# Altium PCB main.PcbDoc (part 1 of 3) (continued)
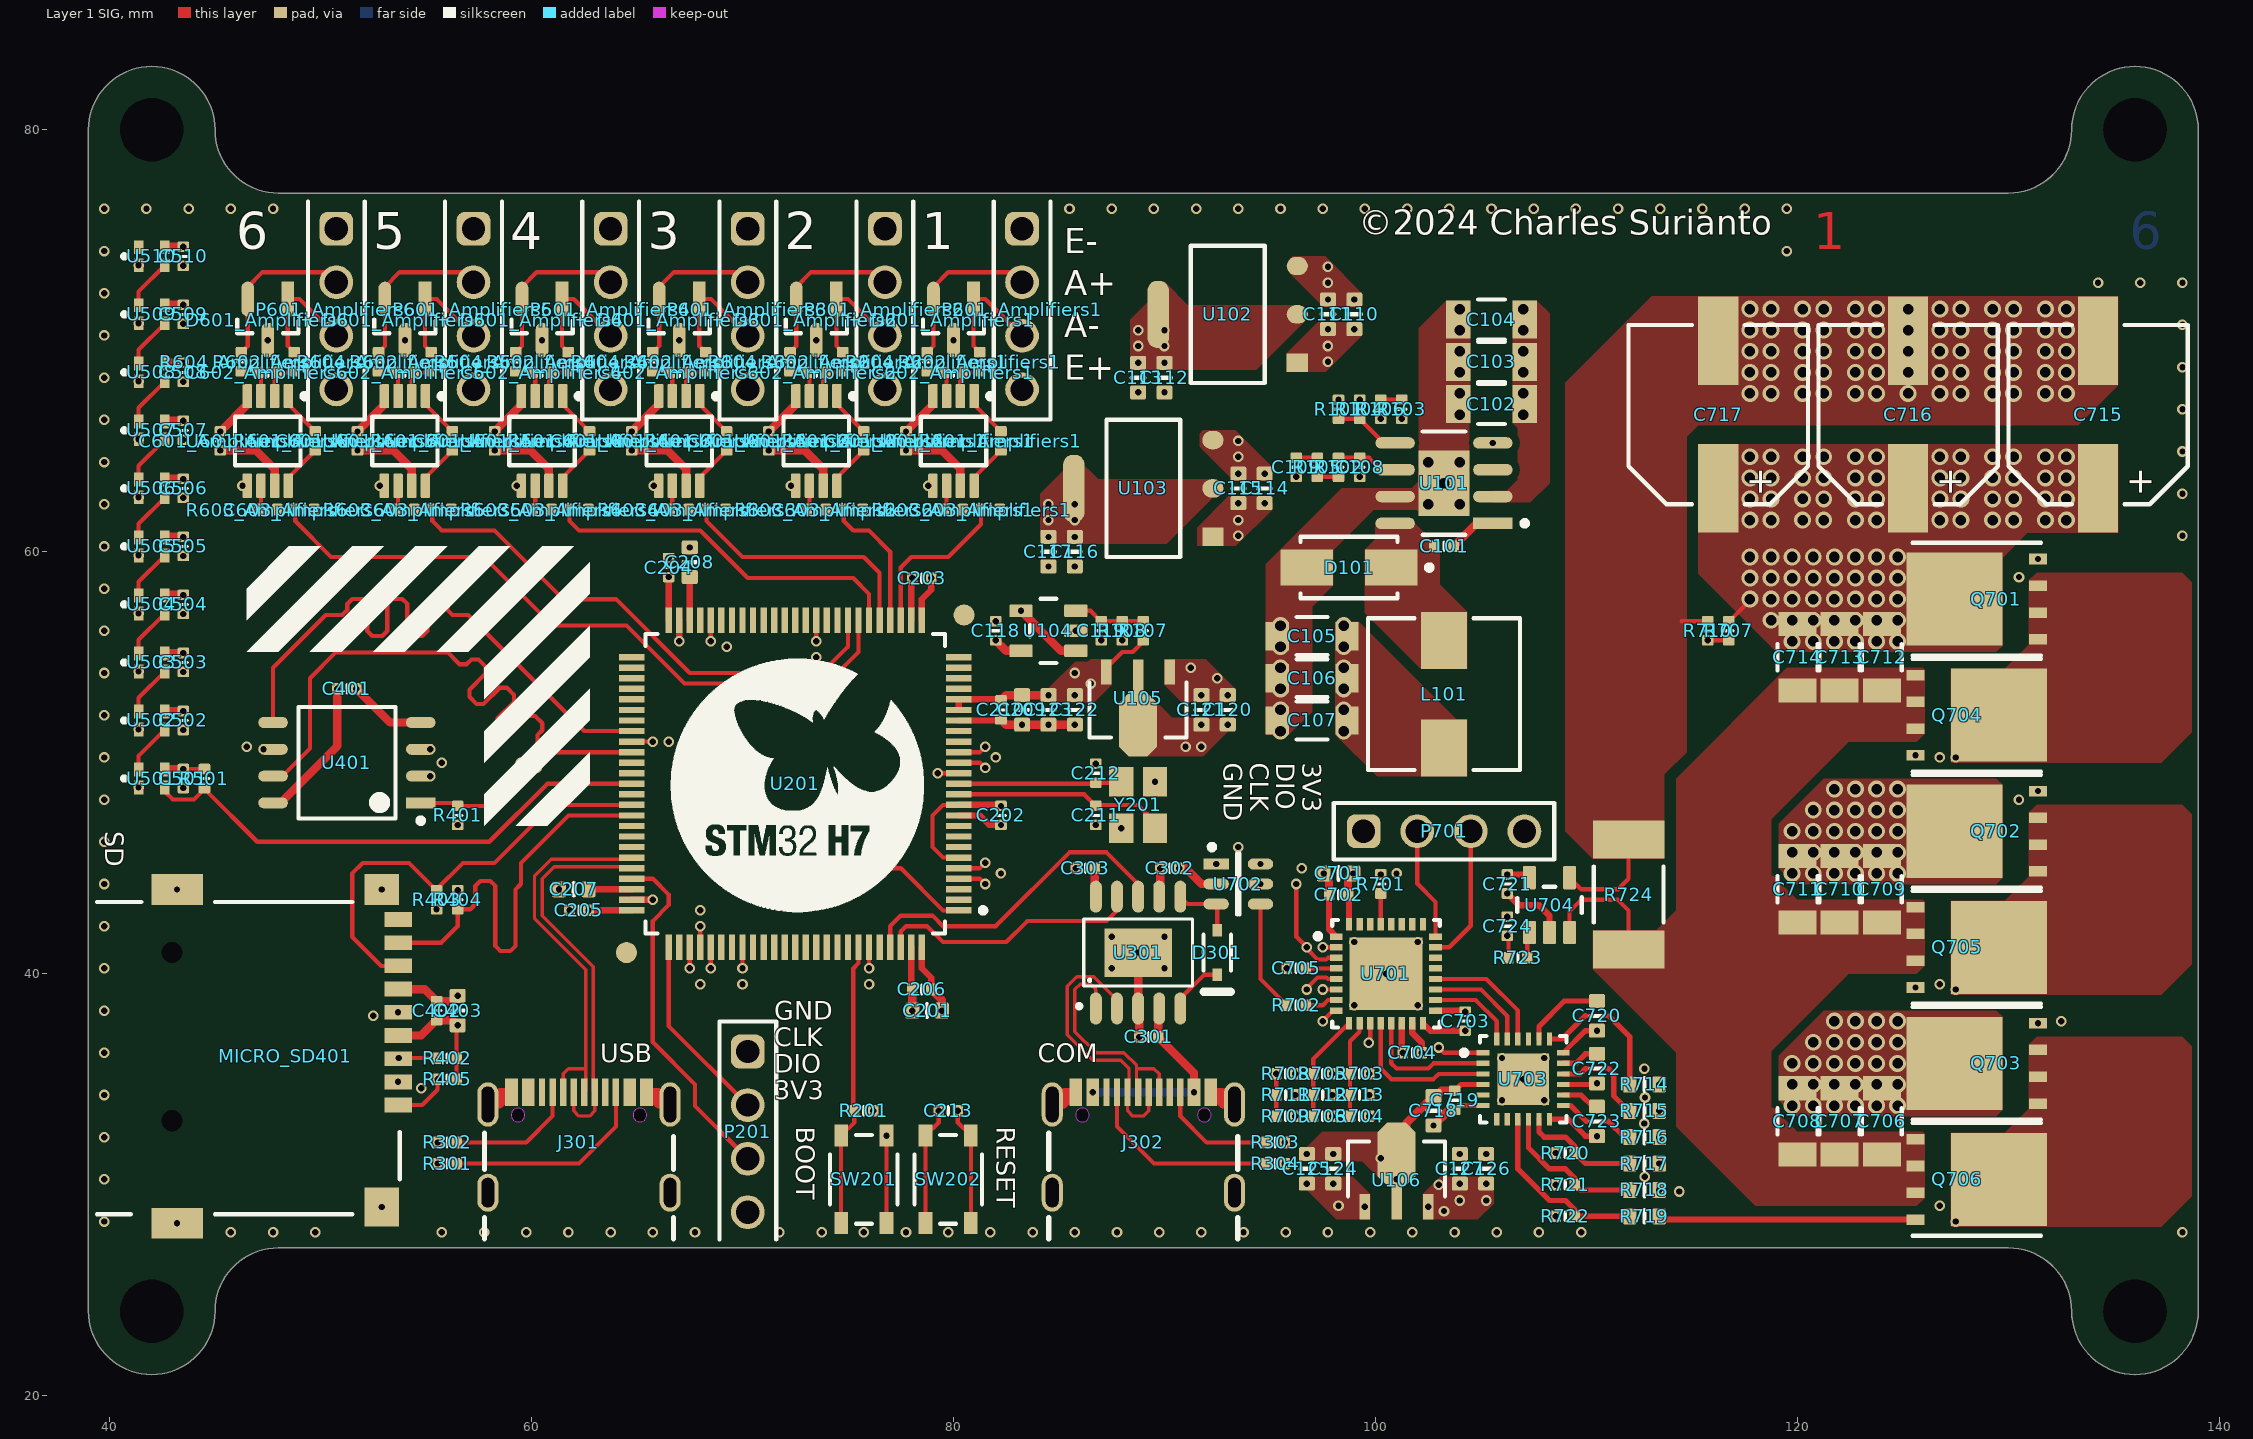
[diagram p0: Layer 1 SIG view]
## Components (designator, comment, footprint, x,y, rotation, side; value= is the part's Value field where it differs from the comment)
C101 "Capacitor 100nF +/-20% 25V 0402" CAPC0402(1005)60_L 103.25,60.25 r0 top value=100nF
C102 "GRM31CZ72A475KE11L" FP-GRM31C-0_3-e0_3_0_9-MFG 105.5,67 r0 top
C103 "GRM31CZ72A475KE11L" FP-GRM31C-0_3-e0_3_0_9-MFG 105.5,69 r0 top
C104 "GRM31CZ72A475KE11L" FP-GRM31C-0_3-e0_3_0_9-MFG 105.5,71 r0 top
C105 "C3216X5R1C476M160AB" FP-C3216-160-0_2-MFG 97,56 r180 top
C106 "C3216X5R1C476M160AB" FP-C3216-160-0_2-MFG 97,54 r180 top
C107 "C3216X5R1C476M160AB" FP-C3216-160-0_2-MFG 97,52 r180 top
C108 "Capacitor 15pF +/-20% 50V 0402" CAPC0402(1005)60_L 99.25,64 r270 top value=15pF
C109 "Capacitor 10nF +/-20% 50V 0402" CAPC0402(1005)60_L 96.25,64 r270 top value=10nF
C110 "Capacitor 10µF +/-20% 10V 0603" CAPC0603(1608)100_L 99,71.25 r270 top value=10µF
C111 "Capacitor 10µF +/-20% 10V 0603" CAPC0603(1608)100_L 97.75,71.25 r270 top value=10µF
C112 "Capacitor 10µF +/-20% 10V 0603" CAPC0603(1608)100_L 90,68.25 r270 top value=10µF
C113 "Capacitor 10µF +/-20% 10V 0603" CAPC0603(1608)100_L 88.75,68.25 r270 top value=10µF
C114 "Capacitor 10µF +/-20% 10V 0603" CAPC0603(1608)100_L 94.75,63 r270 top value=10µF
C115 "Capacitor 10µF +/-20% 10V 0603" CAPC0603(1608)100_L 93.5,63 r270 top value=10µF
C116 "Capacitor 10µF +/-20% 10V 0603" CAPC0603(1608)100_L 85.75,60 r270 top value=10µF
C117 "Capacitor 10µF +/-20% 10V 0603" CAPC0603(1608)100_L 84.5,60 r270 top value=10µF
C118 "Capacitor 100nF +/-20% 25V 0402" CAPC0402(1005)60_L 82,56.25 r90 top value=100nF
C119 "Capacitor 100nF +/-20% 25V 0402" CAPC0402(1005)60_L 87,56.25 r270 top value=100nF
C120 "Capacitor 10µF +/-20% 10V 0603" CAPC0603(1608)100_L 93,52.5 r90 top value=10µF
C121 "Capacitor 10µF +/-20% 10V 0603" CAPC0603(1608)100_L 91.75,52.5 r90 top value=10µF
C122 "Capacitor 10µF +/-20% 10V 0603" CAPC0603(1608)100_L 85.75,52.5 r270 top value=10µF
C123 "Capacitor 10µF +/-20% 10V 0603" CAPC0603(1608)100_L 84.5,52.5 r270 top value=10µF
C124 "Capacitor 10µF +/-20% 10V 0603" CAPC0603(1608)100_L 98,30.75 r270 top value=10µF
C125 "Capacitor 10µF +/-20% 10V 0603" CAPC0603(1608)100_L 96.75,30.75 r270 top value=10µF
C126 "Capacitor 10µF +/-20% 10V 0603" CAPC0603(1608)100_L 105.25,30.75 r90 top value=10µF
C127 "Capacitor 10µF +/-20% 10V 0603" CAPC0603(1608)100_L 104,30.75 r90 top value=10µF
C201 "Capacitor 10µF +/-20% 10V 0603" CAPC0603(1608)100_L 78.75,38.25 r180 top value=10µF
C202 "Capacitor 100nF +/-20% 25V 0402" CAPC0402(1005)60_L 82.25,47.5 r270 top value=100nF
C203 "Capacitor 100nF +/-20% 25V 0402" CAPC0402(1005)60_L 78.5,58.75 r0 top value=100nF
C204 "Capacitor 100nF +/-20% 25V 0402" CAPC0402(1005)60_L 66.5,59.25 r90 top value=100nF
C205 "Capacitor 100nF +/-20% 25V 0402" CAPC0402(1005)60_L 62.25,43 r180 top value=100nF
C206 "Capacitor 100nF +/-20% 25V 0402" CAPC0402(1005)60_L 78.5,39.25 r180 top value=100nF
C207 "Capacitor 10µF +/-20% 10V 0603" CAPC0603(1608)100_L 62,44 r180 top value=10µF
C208 "Capacitor 10µF +/-20% 10V 0603" CAPC0603(1608)100_L 67.5,59.5 r90 top value=10µF
C209 "Capacitor 10µF +/-20% 10V 0603" CAPC0603(1608)100_L 83.25,52.5 r270 top value=10µF
C210 "Capacitor 100nF +/-20% 25V 0402" CAPC0402(1005)60_L 82.25,52.5 r270 top value=100nF
C211 "Capacitor 15pF +/-20% 50V 0402" CAPC0402(1005)60_L 86.75,47.5 r270 top value=15pF
C212 "Capacitor 15pF +/-20% 50V 0402" CAPC0402(1005)60_L 86.75,49.5 r90 top value=15pF
C213 "Capacitor 100nF +/-20% 25V 0402" CAPC0402(1005)60_L 79.75,33.5 r180 top value=100nF
C301 "Capacitor 100nF +/-20% 25V 0402" CAPC0402(1005)60_L 89.25,37 r180 top value=100nF
C302 "Capacitor 100nF +/-20% 25V 0402" CAPC0402(1005)60_L 90.25,45 r0 top value=100nF
C303 "Capacitor 100nF +/-20% 25V 0402" CAPC0402(1005)60_L 86.25,45 r180 top value=100nF
C401 "Capacitor 100nF +/-20% 25V 0402" CAPC0402(1005)60_L 51.25,53.5 r0 top value=100nF
C402 "Capacitor 100nF +/-20% 25V 0402" CAPC0402(1005)60_L 55.5,38.25 r90 top value=100nF
C403 "Capacitor 10µF +/-20% 10V 0603" CAPC0603(1608)100_L 56.5,38.25 r90 top value=10µF
C501 "Capacitor 100nF +/-20% 25V 0402" CAPC0402(1005)60_L 43.5,49.25 r270 top value=100nF
C502 "Capacitor 100nF +/-20% 25V 0402" CAPC0402(1005)60_L 43.5,52 r270 top value=100nF
C503 "Capacitor 100nF +/-20% 25V 0402" CAPC0402(1005)60_L 43.5,54.75 r270 top value=100nF
C504 "Capacitor 100nF +/-20% 25V 0402" CAPC0402(1005)60_L 43.5,57.5 r270 top value=100nF
C505 "Capacitor 100nF +/-20% 25V 0402" CAPC0402(1005)60_L 43.5,60.25 r270 top value=100nF
C506 "Capacitor 100nF +/-20% 25V 0402" CAPC0402(1005)60_L 43.5,63 r270 top value=100nF
C507 "Capacitor 100nF +/-20% 25V 0402" CAPC0402(1005)60_L 43.5,65.75 r270 top value=100nF
C508 "Capacitor 100nF +/-20% 25V 0402" CAPC0402(1005)60_L 43.5,68.5 r270 top value=100nF
C509 "Capacitor 100nF +/-20% 25V 0402" CAPC0402(1005)60_L 43.5,71.25 r270 top value=100nF
C510 "Capacitor 100nF +/-20% 25V 0402" CAPC0402(1005)60_L 43.5,74 r270 top value=100nF
C601_Amplifiers1 "Capacitor 100nF +/-20% 25V 0402" CAPC0402(1005)60_L 77.75,65.25 r90 top value=100nF (schematic designator C601)
C601_Amplifiers2 "Capacitor 100nF +/-20% 25V 0402" CAPC0402(1005)60_L 71.25,65.25 r90 top value=100nF (schematic designator C601)
C601_Amplifiers3 "Capacitor 100nF +/-20% 25V 0402" CAPC0402(1005)60_L 64.75,65.25 r90 top value=100nF (schematic designator C601)
C601_Amplifiers4 "Capacitor 100nF +/-20% 25V 0402" CAPC0402(1005)60_L 58.25,65.25 r90 top value=100nF (schematic designator C601)
C601_Amplifiers5 "Capacitor 100nF +/-20% 25V 0402" CAPC0402(1005)60_L 51.75,65.25 r90 top value=100nF (schematic designator C601)
C601_Amplifiers6 "Capacitor 100nF +/-20% 25V 0402" CAPC0402(1005)60_L 45.25,65.25 r90 top value=100nF (schematic designator C601)
C602_Amplifiers1 "Capacitor 100nF +/-20% 25V 0402" CAPC0402(1005)60_L 80,68.5 r180 top value=100nF (schematic designator C602)
C602_Amplifiers2 "Capacitor 100nF +/-20% 25V 0402" CAPC0402(1005)60_L 73.5,68.5 r180 top value=100nF (schematic designator C602)
C602_Amplifiers3 "Capacitor 100nF +/-20% 25V 0402" CAPC0402(1005)60_L 67,68.5 r180 top value=100nF (schematic designator C602)
C602_Amplifiers4 "Capacitor 100nF +/-20% 25V 0402" CAPC0402(1005)60_L 60.5,68.5 r180 top value=100nF (schematic designator C602)
C602_Amplifiers5 "Capacitor 100nF +/-20% 25V 0402" CAPC0402(1005)60_L 54,68.5 r180 top value=100nF (schematic designator C602)
C602_Amplifiers6 "Capacitor 100nF +/-20% 25V 0402" CAPC0402(1005)60_L 47.5,68.5 r180 top value=100nF (schematic designator C602)
C603_Amplifiers1 "Capacitor 100nF +/-20% 25V 0402" CAPC0402(1005)60_L 81.75,62 r0 top value=100nF (schematic designator C603)
C603_Amplifiers2 "Capacitor 100nF +/-20% 25V 0402" CAPC0402(1005)60_L 75.25,62 r0 top value=100nF (schematic designator C603)
C603_Amplifiers3 "Capacitor 100nF +/-20% 25V 0402" CAPC0402(1005)60_L 68.75,62 r0 top value=100nF (schematic designator C603)
C603_Amplifiers4 "Capacitor 100nF +/-20% 25V 0402" CAPC0402(1005)60_L 62.25,62 r0 top value=100nF (schematic designator C603)
C603_Amplifiers5 "Capacitor 100nF +/-20% 25V 0402" CAPC0402(1005)60_L 55.75,62 r0 top value=100nF (schematic designator C603)
C603_Amplifiers6 "Capacitor 100nF +/-20% 25V 0402" CAPC0402(1005)60_L 49.25,62 r0 top value=100nF (schematic designator C603)
C701 "Capacitor 10µF +/-20% 10V 0603" CAPC0603(1608)100_L 98.25,44.75 r0 top value=10µF
C702 "Capacitor 100nF +/-20% 25V 0402" CAPC0402(1005)60_L 98.25,43.75 r0 top value=100nF
C703 "Capacitor 100nF +/-20% 25V 0402" CAPC0402(1005)60_L 104.25,37.75 r270 top value=100nF
C704 "Capacitor 100nF +/-20% 25V 0402" CAPC0402(1005)60_L 101.75,36.25 r180 top value=100nF
C705 "Capacitor 100nF +/-20% 25V 0402" CAPC0402(1005)60_L 96.25,40.25 r180 top value=100nF
C706 "GRM31CZ72A475KE11L" FP-GRM31C-0_3-e0_3_0_9-MFG 124,33 r90 top
C707 "GRM31CZ72A475KE11L" FP-GRM31C-0_3-e0_3_0_9-MFG 122,33 r90 top
C708 "GRM31CZ72A475KE11L" FP-GRM31C-0_3-e0_3_0_9-MFG 120,33 r90 top
C709 "GRM31CZ72A475KE11L" FP-GRM31C-0_3-e0_3_0_9-MFG 124,44 r90 top
C710 "GRM31CZ72A475KE11L" FP-GRM31C-0_3-e0_3_0_9-MFG 122,44 r90 top
C711 "GRM31CZ72A475KE11L" FP-GRM31C-0_3-e0_3_0_9-MFG 120,44 r90 top
C712 "GRM31CZ72A475KE11L" FP-GRM31C-0_3-e0_3_0_9-MFG 124,55 r90 top
C713 "GRM31CZ72A475KE11L" FP-GRM31C-0_3-e0_3_0_9-MFG 122,55 r90 top
C714 "GRM31CZ72A475KE11L" FP-GRM31C-0_3-e0_3_0_9-MFG 120,55 r90 top
C715 "865230453006" WCAP-AS5H_D8H10.5 134.25,66.5 r270 top
C716 "865230453006" WCAP-AS5H_D8H10.5 125.25,66.5 r270 top
C717 "865230453006" WCAP-AS5H_D8H10.5 116.25,66.5 r270 top
C718 "Capacitor 10µF +/-20% 10V 0603" CAPC0603(1608)100_L 102.75,33.5 r270 top value=10µF
C719 "Capacitor 100nF +/-20% 25V 0402" CAPC0402(1005)60_L 103.75,34 r270 top value=100nF
C720 "Capacitor 10µF +/-20% 10V 0603" CAPC0603(1608)100_L 110.5,38 r270 top value=10µF
C721 "Capacitor 100nF +/-20% 25V 0402" CAPC0402(1005)60_L 106.25,44.25 r270 top value=100nF
C722 "Capacitor 10µF +/-20% 10V 0603" CAPC0603(1608)100_L 110.5,35.5 r270 top value=10µF
C723 "Capacitor 10µF +/-20% 10V 0603" CAPC0603(1608)100_L 110.5,33 r270 top value=10µF
C724 "Capacitor 100nF +/-20% 25V 0402" CAPC0402(1005)60_L 106.25,42.25 r90 top value=100nF
D101 "SS34" FP-SMA-MFG 98.75,59.25 r180 top
D301 "1N4148WS-7-F" DIOD-SOD323-2-A_V 92.5,41 r270 top
D601_Amplifiers1 "PESD3V3S2UT,215" FP-SOT23-IPC_A 80,71 r270 top (schematic designator D601)
D601_Amplifiers2 "PESD3V3S2UT,215" FP-SOT23-IPC_A 73.5,71 r270 top (schematic designator D601)
D601_Amplifiers3 "PESD3V3S2UT,215" FP-SOT23-IPC_A 67,71 r270 top (schematic designator D601)
D601_Amplifiers4 "PESD3V3S2UT,215" FP-SOT23-IPC_A 60.5,71 r270 top (schematic designator D601)
D601_Amplifiers5 "PESD3V3S2UT,215" FP-SOT23-IPC_A 54,71 r270 top (schematic designator D601)
D601_Amplifiers6 "PESD3V3S2UT,215" FP-SOT23-IPC_A 47.5,71 r270 top (schematic designator D601)
J301 "USB-TYPE-C-019" USB-TYPE-C-12+4P 62.25,32 r0 top
J302 "USB-TYPE-C-019" USB-TYPE-C-12+4P 89,32 r0 top
L101 "SMRH74-220MT" WE-HCI_7040 103.25,53.25 r0 top
MICRO_SD401 "TF-01A" TF-01A 46.5,36 r270 top
P201 "61300411121" 61300411121 70.25,32.5 r270 top
P601_Amplifiers1 "61300411121" 61300411121 83.25,71.5 r270 top (schematic designator P601)
P601_Amplifiers2 "61300411121" 61300411121 76.75,71.5 r270 top (schematic designator P601)
P601_Amplifiers3 "61300411121" 61300411121 70.25,71.5 r270 top (schematic designator P601)
P601_Amplifiers4 "61300411121" 61300411121 63.75,71.5 r270 top (schematic designator P601)
P601_Amplifiers5 "61300411121" 61300411121 57.25,71.5 r270 top (schematic designator P601)
P601_Amplifiers6 "61300411121" 61300411121 50.75,71.5 r270 top (schematic designator P601)
P701 "61300411121" 61300411121 103.25,46.75 r0 top
Q701 "BSC0702LSATMA1" FP-PG-TDSON-8-MFG 128.5,57.75 r90 top
Q702 "BSC0702LSATMA1" FP-PG-TDSON-8-MFG 128.5,46.75 r90 top
Q703 "BSC0702LSATMA1" FP-PG-TDSON-8-MFG 128.5,35.75 r90 top
Q704 "BSC0702LSATMA1" FP-PG-TDSON-8-MFG 128.5,52.25 r270 top
Q705 "BSC0702LSATMA1" FP-PG-TDSON-8-MFG 128.5,41.25 r270 top
Q706 "BSC0702LSATMA1" FP-PG-TDSON-8-MFG 128.5,30.25 r270 top
R101 "Resistor 100K +/-1 % 0402 63 mW" RESC0402(1005)_L 98.25,66.75 r270 top value=100k
R102 "Resistor 10K  +/-1 % 0402 63 mW" RESC0402(1005)_L 98.25,64 r270 top value=10k
R103 "Resistor 100K +/-1 % 0402 63 mW" RESC0402(1005)_L 101.25,66.75 r270 top value=100k
R104 "Resistor 10K  +/-1 % 0402 63 mW" RESC0402(1005)_L 99.25,66.75 r90 top value=10k
R105 "Resistor 10K  +/-1 % 0402 63 mW" RESC0402(1005)_L 97.25,64 r90 top value=10k
R106 "Resistor 100K +/-1 % 0402 63 mW" RESC0402(1005)_L 100.25,66.75 r90 top value=100k
R107 "Resistor 10K  +/-1 % 0402 63 mW" RESC0402(1005)_L 89,56.25 r90 top value=10k
R108 "Resistor 10K  +/-1 % 0402 63 mW" RESC0402(1005)_L 88,56.25 r270 top value=10k
R201 "Resistor 10K  +/-1 % 0402 63 mW" RESC0402(1005)_L 75.75,33.5 r0 top value=10k
R301 "Resistor 5K1  +/-1 % 0402 63 mW" RESC0402(1005)_L 56,31 r180 top value=5.1k
R302 "Resistor 5K1  +/-1 % 0402 63 mW" RESC0402(1005)_L 56,32 r180 top value=5.1k
R303 "Resistor 5K1  +/-1 % 0402 63 mW" RESC0402(1005)_L 95.25,32 r0 top value=5.1k
R304 "Resistor 5K1  +/-1 % 0402 63 mW" RESC0402(1005)_L 95.25,31 r0 top value=5.1k
R401 "Resistor 10K  +/-1 % 0402 63 mW" RESC0402(1005)_L 56.5,47.5 r90 top value=10k
R402 "Resistor 10K  +/-1 % 0402 63 mW" RESC0402(1005)_L 56,36 r180 top value=10k
R403 "Resistor 10K  +/-1 % 0402 63 mW" RESC0402(1005)_L 55.5,43.5 r90 top value=10k
R404 "Resistor 10K  +/-1 % 0402 63 mW" RESC0402(1005)_L 56.5,43.5 r270 top value=10k
R405 "Resistor 10K  +/-1 % 0402 63 mW" RESC0402(1005)_L 56,35 r180 top value=10k
R501 "Resistor 5K1  +/-1 % 0402 63 mW" RESC0402(1005)_L 44.5,49.25 r270 top value=5.1k
R601_Amplifiers1 "Resistor 1K2 +/-1 % 0402 63 mW" RESC0402(1005)_L 82.25,65.25 r90 top value=1.2k (schematic designator R601)
R601_Amplifiers2 "Resistor 1K2 +/-1 % 0402 63 mW" RESC0402(1005)_L 75.75,65.25 r90 top value=1.2k (schematic designator R601)
R601_Amplifiers3 "Resistor 1K2 +/-1 % 0402 63 mW" RESC0402(1005)_L 69.25,65.25 r90 top value=1.2k (schematic designator R601)
R601_Amplifiers4 "Resistor 1K2 +/-1 % 0402 63 mW" RESC0402(1005)_L 62.75,65.25 r90 top value=1.2k (schematic designator R601)
R601_Amplifiers5 "Resistor 1K2 +/-1 % 0402 63 mW" RESC0402(1005)_L 56.25,65.25 r90 top value=1.2k (schematic designator R601)
R601_Amplifiers6 "Resistor 1K2 +/-1 % 0402 63 mW" RESC0402(1005)_L 49.75,65.25 r90 top value=1.2k (schematic designator R601)
R602_Amplifiers1 "Resistor 10K  +/-1 % 0402 63 mW" RESC0402(1005)_L 81.25,69 r270 top value=10k (schematic designator R602)
R602_Amplifiers2 "Resistor 10K  +/-1 % 0402 63 mW" RESC0402(1005)_L 74.75,69 r270 top value=10k (schematic designator R602)
R602_Amplifiers3 "Resistor 10K  +/-1 % 0402 63 mW" RESC0402(1005)_L 68.25,69 r270 top value=10k (schematic designator R602)
R602_Amplifiers4 "Resistor 10K  +/-1 % 0402 63 mW" RESC0402(1005)_L 61.75,69 r270 top value=10k (schematic designator R602)
R602_Amplifiers5 "Resistor 10K  +/-1 % 0402 63 mW" RESC0402(1005)_L 55.25,69 r270 top value=10k (schematic designator R602)
R602_Amplifiers6 "Resistor 10K  +/-1 % 0402 63 mW" RESC0402(1005)_L 48.75,69 r270 top value=10k (schematic designator R602)
R603_Amplifiers1 "Resistor 10K  +/-1 % 0402 63 mW" RESC0402(1005)_L 80,62 r0 top value=10k (schematic designator R603)
R603_Amplifiers2 "Resistor 10K  +/-1 % 0402 63 mW" RESC0402(1005)_L 73.5,62 r0 top value=10k (schematic designator R603)
R603_Amplifiers3 "Resistor 10K  +/-1 % 0402 63 mW" RESC0402(1005)_L 67,62 r0 top value=10k (schematic designator R603)
R603_Amplifiers4 "Resistor 10K  +/-1 % 0402 63 mW" RESC0402(1005)_L 60.5,62 r0 top value=10k (schematic designator R603)
R603_Amplifiers5 "Resistor 10K  +/-1 % 0402 63 mW" RESC0402(1005)_L 54,62 r0 top value=10k (schematic designator R603)
R603_Amplifiers6 "Resistor 10K  +/-1 % 0402 63 mW" RESC0402(1005)_L 47.5,62 r0 top value=10k (schematic designator R603)
R604_Amplifiers1 "Resistor 10K  +/-1 % 0402 63 mW" RESC0402(1005)_L 78.75,69 r270 top value=10k (schematic designator R604)
R604_Amplifiers2 "Resistor 10K  +/-1 % 0402 63 mW" RESC0402(1005)_L 72.25,69 r270 top value=10k (schematic designator R604)
R604_Amplifiers3 "Resistor 10K  +/-1 % 0402 63 mW" RESC0402(1005)_L 65.75,69 r270 top value=10k (schematic designator R604)
R604_Amplifiers4 "Resistor 10K  +/-1 % 0402 63 mW" RESC0402(1005)_L 59.25,69 r270 top value=10k (schematic designator R604)
R604_Amplifiers5 "Resistor 10K  +/-1 % 0402 63 mW" RESC0402(1005)_L 52.75,69 r270 top value=10k (schematic designator R604)
R604_Amplifiers6 "Resistor 10K  +/-1 % 0402 63 mW" RESC0402(1005)_L 46.25,69 r270 top value=10k (schematic designator R604)
R701 "Resistor 100R +/-1 % 0402 63 mW" RESC0402(1005)_L 100.25,44.25 r90 top value=100
R702 "Resistor 100R +/-1 % 0402 63 mW" RESC0402(1005)_L 96.25,38.5 r0 top value=100
R703 "Resistor 100K +/-1 % 0402 63 mW" RESC0402(1005)_L 99.25,35.25 r180 top value=100k
R704 "Resistor 100K +/-1 % 0402 63 mW" RESC0402(1005)_L 99.25,33.25 r0 top value=100k
R705 "Resistor 100K +/-1 % 0402 63 mW" RESC0402(1005)_L 97.5,35.25 r180 top value=100k
R706 "Resistor 100K +/-1 % 0402 63 mW" RESC0402(1005)_L 97.5,33.25 r0 top value=100k
R707 "Resistor 100K +/-1 % 0402 63 mW" RESC0402(1005)_L 116.75,56.25 r90 top value=100k
R708 "Resistor 100K +/-1 % 0402 63 mW" RESC0402(1005)_L 95.75,35.25 r180 top value=100k
R709 "Resistor 100K +/-1 % 0402 63 mW" RESC0402(1005)_L 95.75,33.25 r0 top value=100k
R710 "Resistor 5K1  +/-1 % 0402 63 mW" RESC0402(1005)_L 115.75,56.25 r90 top value=5.1k
R711 "Resistor 5K1  +/-1 % 0402 63 mW" RESC0402(1005)_L 95.75,34.25 r0 top value=5.1k
R712 "Resistor 5K1  +/-1 % 0402 63 mW" RESC0402(1005)_L 97.5,34.25 r0 top value=5.1k
R713 "Resistor 5K1  +/-1 % 0402 63 mW" RESC0402(1005)_L 99.25,34.25 r0 top value=5.1k
R714 "Resistor 20R +/-5 % 0603 0.1 W" RESC0603(1608)_L 112.75,34.75 r0 top value=20
R715 "Resistor 20R +/-5 % 0603 0.1 W" RESC0603(1608)_L 112.75,33.5 r0 top value=20
R716 "Resistor 20R +/-5 % 0603 0.1 W" RESC0603(1608)_L 112.75,32.25 r0 top value=20
R717 "Resistor 20R +/-5 % 0603 0.1 W" RESC0603(1608)_L 112.75,31 r0 top value=20
R718 "Resistor 20R +/-5 % 0603 0.1 W" RESC0603(1608)_L 112.75,29.75 r0 top value=20
R719 "Resistor 20R +/-5 % 0603 0.1 W" RESC0603(1608)_L 112.75,28.5 r0 top value=20
R720 "Resistor 10K  +/-1 % 0402 63 mW" RESC0402(1005)_L 109,31.5 r180 top value=10k
R721 "Resistor 10K  +/-1 % 0402 63 mW" RESC0402(1005)_L 109,30 r180 top value=10k
R722 "Resistor 10K  +/-1 % 0402 63 mW" RESC0402(1005)_L 109,28.5 r180 top value=10k
R723 "Resistor 5K1  +/-1 % 0402 63 mW" RESC0402(1005)_L 106.75,40.75 r180 top value=5.1k
R724 "PSL2NTEBL500F" FP-PSL2NTEBL500F-MFG 112,43.75 r90 top
SW201 "PTS810SJM250SMTRLFS" FP-PTS810SJM250SMTRLFS-MFG 75.75,30.25 r270 top
SW202 "PTS810SJM250SMTRLFS" FP-PTS810SJM250SMTRLFS-MFG 79.75,30.25 r270 top
U101 "TPS54560DDA" FP-DDA0008E-IPC_C 103.25,63.25 r180 top
U102 "AMS1117-5.0" FP-AMS1117-IPC_C 93,71.25 r180 top
U103 "AMS1117-3.3" FP-AMS1117-IPC_C 89,63 r180 top
U104 "OPA333AIDBVR" FP-DBV0005A-MFG 84.5,56.25 r180 top
U105 "HT7533_1-SOT89" SOT89_L 88.75,52.5 r270 top
U106 "HT7533_1-SOT89" SOT89_L 101,30.75 r90 top
U201 "STM32H750VBT6" FP-LQFP100-1L-MFG 72.5,49 r180 top
U301 "CH342K" SSOP-10_L5.0-W3.9-P1.00-LS6.0-BL-EP 88.75,41 r0 top
U401 "W25Q32JVSSIQ" FP-SS-IPC_C 51.25,50 r180 top
U501 "WS2812B 1615" "WS2812B 1615" 42,49.25 r0 top
U502 "WS2812B 1615" "WS2812B 1615" 42,52 r0 top
U503 "WS2812B 1615" "WS2812B 1615" 42,54.75 r0 top
U504 "WS2812B 1615" "WS2812B 1615" 42,57.5 r0 top
U505 "WS2812B 1615" "WS2812B 1615" 42,60.25 r0 top
U506 "WS2812B 1615" "WS2812B 1615" 42,63 r0 top
U507 "WS2812B 1615" "WS2812B 1615" 42,65.75 r0 top
U508 "WS2812B 1615" "WS2812B 1615" 42,68.5 r0 top
U509 "WS2812B 1615" "WS2812B 1615" 42,71.25 r0 top
U510 "WS2812B 1615" "WS2812B 1615" 42,74 r0 top
U601_Amplifiers1 "INA333AIDGKR" DGK0008A_L 80,65.25 r270 top (schematic designator U601)
U601_Amplifiers2 "INA333AIDGKR" DGK0008A_L 73.5,65.25 r270 top (schematic designator U601)
U601_Amplifiers3 "INA333AIDGKR" DGK0008A_L 67,65.25 r270 top (schematic designator U601)
U601_Amplifiers4 "INA333AIDGKR" DGK0008A_L 60.5,65.25 r270 top (schematic designator U601)
U601_Amplifiers5 "INA333AIDGKR" DGK0008A_L 54,65.25 r270 top (schematic designator U601)
U601_Amplifiers6 "INA333AIDGKR" DGK0008A_L 47.5,65.25 r270 top (schematic designator U601)
U701 "STM32G431KBU3" FP-UFQFPN32-A0B8-MFG 100.5,40 r0 top
U702 "SN74LVC1G3157DBVR" FP-DBV0006A-IPC_C 93.5,44.25 r0 top
U703 "DRV8300DRGER" RGE0024B-MFG 107,35 r0 top
U704 "INA180A2IDBVR" FP-DBV0005A-MFG 108.25,43.25 r90 top
Y201 "TSX-3225 25.0000MF10P-C0" FP-TSX-3225-MFG 88.75,48 r90 top

## Footprints (in the part's own frame and the unit in brackets; to place one, negate y for a bottom-side part, rotate by r counter-clockwise, add the part's x,y. Pads: shape width x height; smd on the part's side, far side on the other; paste and mask are expansions set on the pad)
61300411121 [mm] "Pin Header, pitch 2.54 mm, THT, Vertical, single row, 4p"
  rrect50% 1.6x1.6 hole 1.1: 1(-3.81,0)
  round 1.6 hole 1.1: 2(-1.27,0) 3(1.27,0) 4(3.81,0)
  silkscreen extent -5.23,-1.35 5.1,1.35, body extent -5.08,-1.27 5.08,1.27, height 8.57
CAPC0402(1005)60_L [mm] "Chip Capacitor, Body 1.0x0.5mm, Height 0.6mm, IPC High Density"
  rrect25% 0.5x0.55 smd: 1(-0.45,0) 2(0.45,0)
  silkscreen extent 0,-0.2 0,0.2, body extent -0.5,-0.25 0.5,0.25, height 0.6
CAPC0603(1608)100_L [mm] "Chip Capacitor, Body 1.6x0.8mm, Height 1.0mm, IPC High Density"
  rrect25% 0.66x0.76 smd: 1(-0.7,0) 2(0.7,0)
  silkscreen extent 0,-0.3 0,0.3, body extent -0.8,-0.4 0.8,0.4, height 0.95
DGK0008A_L [mm] "TSOP, 8-Leads, Body 3.1x3.1mm, Pitch 0.65mm, IPC High Density"
  rrect22% 1.15x0.45 smd: 1(-2.125,0.975) 2(-2.125,0.325) 3(-2.125,-0.325) 4(-2.125,-0.975) 5(2.125,-0.975) 6(2.125,-0.325) 7(2.125,0.325) 8(2.125,0.975)
  silkscreen extent -2.25,-1.55 1.15,1.88, body extent -2.45,-1.5 2.45,1.5, height 0.94
DIOD-SOD323-2-A_V [mm] "SOD-323, 2-Leads, Body 1.7x1.3mm"
  rect 0.59x0.45 smd: 1(-1.055,0) 2(1.055,0)
  silkscreen extent -0.85,-0.65 1.85,0.65, body extent -0.85,-0.65 0.85,0.65, height 1.2
FP-AMS1117-IPC_C [mm]
  rect 1.004x0.872 smd paste+0 mask+0: 1(-3.295,2.29)
  rrect100% 1.004x0.872 smd paste+0 mask+0: 2(-3.295,0) 3(-3.295,-2.29)
  rrect87% 1.004x3.182 smd paste+0 mask+0: 4(3.295,0)
  silkscreen extent -1.75,-3.25 1.75,3.25, body extent -3.9,-3.35 3.9,3.35, height 0.25
FP-C3216-160-0_2-MFG [mm]
  rect 1.1x1.35 smd paste+0 mask+0: 1(-1.65,0) 2(1.65,0)
  silkscreen extent -0.72,-0.9 0.72,0.9, body extent -2.3,-1 2.3,1, height 0.25
FP-DBV0005A-MFG [mm]
  rrect17% 1.1x0.6 smd paste+0 mask+0: 1(-1.3,0.95) 2(-1.3,0) 3(-1.3,-0.95) 4(1.3,-0.95) 5(1.3,0.95)
  silkscreen extent -0.38,-1.53 0.87,1.53, body extent -1.95,-1.78 1.95,1.78, height 0.25
FP-DBV0006A-IPC_C [mm]
  rect 1.205x0.53 smd paste+0 mask+0: 1(-1.05,0.95)
  rrect100% 1.205x0.53 smd paste+0 mask+0: 2(-1.05,0) 3(-1.05,-0.95) 4(1.05,-0.95) 5(1.05,0) 6(1.05,0.95)
  silkscreen extent -1.37,-1.45 0.05,1.87, body extent -1.75,-1.55 1.75,1.55, height 0.25
FP-DDA0008E-IPC_C [mm]
  rect 1.874x0.542 smd paste+0 mask+0: 1(-2.316,1.905)
  rrect100% 1.874x0.542 smd paste+0 mask+0: 2(-2.316,0.635) 3(-2.316,-0.635) 4(-2.316,-1.905) 5(2.316,-1.905) 6(2.316,-0.635) 7(2.316,0.635) 8(2.316,1.905)
  rect 2.4x3.1 smd paste-1000 mask+0: 9(0,0)
  silkscreen extent -3.95,-2.45 1,2.45, body extent -3.35,-2.55 3.35,2.55, height 0.25
FP-GRM31C-0_3-e0_3_0_9-MFG [mm]
  rect 1.15x1.8 smd paste+0 mask+0: 1(-1.575,0) 2(1.575,0)
  silkscreen extent -0.63,-0.95 0.63,0.95, body extent -2.25,-1.05 2.25,1.05, height 0.25
FP-LQFP100-1L-MFG [mm]
  rect 1.2x0.3 smd paste+0 mask+0: 1(-7.75,6) 2(-7.75,5.5) 3(-7.75,5) 4(-7.75,4.5) 5(-7.75,4) 6(-7.75,3.5) 7(-7.75,3) 8(-7.75,2.5) 9(-7.75,2) 10(-7.75,1.5) 11(-7.75,1) 12(-7.75,0.5) 13(-7.75,0) 14(-7.75,-0.5) 15(-7.75,-1) 16(-7.75,-1.5) 17(-7.75,-2) 18(-7.75,-2.5) 19(-7.75,-3) 20(-7.75,-3.5) 21(-7.75,-4) 22(-7.75,-4.5) 23(-7.75,-5) 24(-7.75,-5.5) 25(-7.75,-6) 51(7.75,-6) 52(7.75,-5.5) 53(7.75,-5) 54(7.75,-4.5) 55(7.75,-4) 56(7.75,-3.5) 57(7.75,-3) 58(7.75,-2.5) 59(7.75,-2) 60(7.75,-1.5) 61(7.75,-1) 62(7.75,-0.5) 63(7.75,0) 64(7.75,0.5) 65(7.75,1) 66(7.75,1.5) 67(7.75,2) 68(7.75,2.5) 69(7.75,3) 70(7.75,3.5) 71(7.75,4) 72(7.75,4.5) 73(7.75,5) 74(7.75,5.5) 75(7.75,6)
  rect 0.3x1.2 smd paste+0 mask+0: 26(-6,-7.75) 27(-5.5,-7.75) 28(-5,-7.75) 29(-4.5,-7.75) 30(-4,-7.75) 31(-3.5,-7.75) 32(-3,-7.75) 33(-2.5,-7.75) 34(-2,-7.75) 35(-1.5,-7.75) 36(-1,-7.75) 37(-0.5,-7.75) 38(0,-7.75) 39(0.5,-7.75) 40(1,-7.75) 41(1.5,-7.75) 42(2,-7.75) 43(2.5,-7.75) 44(3,-7.75) 45(3.5,-7.75) 46(4,-7.75) 47(4.5,-7.75) 48(5,-7.75) 49(5.5,-7.75) 50(6,-7.75) 76(6,7.75) 77(5.5,7.75) 78(5,7.75) 79(4.5,7.75) 80(4,7.75) 81(3.5,7.75) 82(3,7.75) 83(2.5,7.75) 84(2,7.75) 85(1.5,7.75) 86(1,7.75) 87(0.5,7.75) 88(0,7.75) 89(-0.5,7.75) 90(-1,7.75) 91(-1.5,7.75) 92(-2,7.75) 93(-2.5,7.75) 94(-3,7.75) 95(-3.5,7.75) 96(-4,7.75) 97(-4.5,7.75) 98(-5,7.75) 99(-5.5,7.75) 100(-6,7.75)
  silkscreen extent -9.03,-7.1 7.1,7.1, body extent -8.45,-8.45 8.45,8.45, height 0.25
FP-PG-TDSON-8-MFG [mm]
  rect 0.5x0.85 smd paste-1000 mask+0: 1(-1.905,-2.9) 2(-0.635,-2.9) 3(0.635,-2.9) 4(1.905,-2.9)
  rect 4.41x4.55 smd paste-1000 mask-1000: 5-6-7-8(0,1.05)
  silkscreen extent -2.68,-3.05 2.68,3.05, body extent -3,-3.42 3,3.42, height 0.25
FP-PSL2NTEBL500F-MFG [mm]
  rect 1.8x3.4 smd paste+0 mask+0: 1(-2.6,0) 2(2.6,0)
  silkscreen extent -1.33,-1.65 1.33,1.65, body extent -3.6,-1.8 3.6,1.8, height 0.25
FP-PTS810SJM250SMTRLFS-MFG [mm]
  rect 1.05x0.65 smd paste+0 mask+0: 1(-2.075,1.075) 2(2.075,1.075) 3(-2.075,-1.075) 4(2.075,-1.075)
  silkscreen extent -2.1,-1.6 2.1,1.6, body extent -2.7,-1.7 2.7,1.7, height 0.25
FP-SMA-MFG [mm]
  rect 2.5x1.7 smd paste+0 mask+0: 1(-2,0) 2(2,0)
  silkscreen extent -3.93,-1.46 2.3,1.46, body extent -3.35,-1.56 3.35,1.56, height 0.25
FP-SOT23-IPC_A [mm]
  rect 1.655x0.602 smd paste+0 mask+0: 1(-0.975,0.95)
  rrect100% 1.655x0.602 smd paste+0 mask+0: 2(-0.975,-0.95) 3(0.975,0)
  silkscreen extent 0,-1.45 0.65,1.45, body extent -2.3,-1.95 2.3,1.95, height 0.25
FP-SS-IPC_C [mm]
  rect 1.405x0.518 smd paste+0 mask+0: 1(-3.5,1.905)
  rrect100% 1.405x0.518 smd paste+0 mask+0: 2(-3.5,0.635) 3(-3.5,-0.635) 4(-3.5,-1.905) 5(3.5,-1.905) 6(3.5,-0.635) 7(3.5,0.635) 8(3.5,1.905)
  silkscreen extent -3.62,-2.64 2.3,2.87, body extent -4.3,-2.74 4.3,2.74, height 0.25
FP-TSX-3225-MFG [mm]
  rect 1.4x1.15 smd paste+0 mask+0: 1(-1.1,-0.8) 2(1.1,-0.8) 3(1.1,0.8) 4(-1.1,0.8)
  body extent -1.9,-1.48 1.9,1.48, height 0.25
FP-UFQFPN32-A0B8-MFG [mm]
  rect 0.6x0.3 smd paste+0 mask+0: 1(-2.35,1.75) 2(-2.35,1.25) 3(-2.35,0.75) 4(-2.35,0.25) 5(-2.35,-0.25) 6(-2.35,-0.75) 7(-2.35,-1.25) 8(-2.35,-1.75) 17(2.35,-1.75) 18(2.35,-1.25) 19(2.35,-0.75) 20(2.35,-0.25) 21(2.35,0.25) 22(2.35,0.75) 23(2.35,1.25) 24(2.35,1.75)
  rect 0.3x0.6 smd paste+0 mask+0: 9(-1.75,-2.35) 10(-1.25,-2.35) 11(-0.75,-2.35) 12(-0.25,-2.35) 13(0.25,-2.35) 14(0.75,-2.35) 15(1.25,-2.35) 16(1.75,-2.35) 25(1.75,2.35) 26(1.25,2.35) 27(0.75,2.35) 28(0.25,2.35) 29(-0.25,2.35) 30(-0.75,2.35) 31(-1.25,2.35) 32(-1.75,2.35)
  rect 3.45x3.45 smd paste+0 mask+0: 33(0,0)
  silkscreen extent -3.35,-2.55 2.55,2.55, body extent -2.75,-2.75 2.75,2.75, height 0.25
RESC0402(1005)_L [mm] "Chip Resistor, Body 1.0x0.5mm, IPC High Density"
  rrect25% 0.5x0.55 smd: 1(-0.45,0) 2(0.45,0)
  silkscreen extent 0,-0.2 0,0.2, body extent -0.5,-0.25 0.5,0.25, height 0.3
RESC0603(1608)_L [mm] "Chip Resistor, Body 1.6x0.8mm, IPC High Density"
  rrect25% 0.66x0.76 smd: 1(-0.7,0) 2(0.7,0)
  silkscreen extent 0,-0.3 0,0.3, body extent -0.8,-0.4 0.8,0.4, height 0.45
RGE0024B-MFG [mm]
  rect 0.6x0.25 smd paste+0 mask+0: 1(-1.9,1.25) 2(-1.9,0.75) 3(-1.9,0.25) 4(-1.9,-0.25) 5(-1.9,-0.75) 6(-1.9,-1.25) 13(1.9,-1.25) 14(1.9,-0.75) 15(1.9,-0.25) 16(1.9,0.25) 17(1.9,0.75) 18(1.9,1.25)
  rect 0.25x0.6 smd paste+0 mask+0: 7(-1.25,-1.9) 8(-0.75,-1.9) 9(-0.25,-1.9) 10(0.25,-1.9) 11(0.75,-1.9) 12(1.25,-1.9) 19(1.25,1.9) 20(0.75,1.9) 21(0.25,1.9) 22(-0.25,1.9) 23(-0.75,1.9) 24(-1.25,1.9)
  rect 2.45x2.45 smd paste-1.212 mask+0: 25(0,0)
  silkscreen extent -2.92,-2.05 2.05,2.05, body extent -2,-2 2,2, height 1
SOT89_L [mm] "SOT89, 3-Leads, Body 4.5x2.4 mm, Pitch 1.5mm, Lead Span 4.1mm, IPC High Density"
  rect 1.2x0.5 smd: 1(-1.8,1.5) 3(-1.8,-1.5)
  rect 1.6x0.5 smd: 2(-1.6,0)
  oct 3x1.8 smd: 2(0.7,0)
  silkscreen extent -1.3,-2.3 1.3,2.3, body extent -1.3,-2.3 1.29,2.3, height 1.6
SSOP-10_L5.0-W3.9-P1.00-LS6.0-BL-EP [mm]
  oval 0.56x1.515 smd paste+0 mask+0.051: 1(-2,-2.65) 2(-1,-2.65) 3(0,-2.65) 4(1,-2.65) 5(2,-2.65) 6(2,2.65) 7(1,2.65) 8(0,2.65) 9(-1,2.65) 10(-2,2.65)
  rect 3.2x2.3 smd paste+0 mask+0.051: 11(0,0)
  silkscreen extent -2.89,-2.64 2.58,1.59
TF-01A [mm]
  rect 0.7x1.3 smd: 1(2.23,7.174) 2(1.13,7.174) 3(0.03,7.174) 4(-1.07,7.174) 5(-2.17,7.174) 6(-3.27,7.174) 7(-4.37,7.174) 8(-5.47,7.174) CD1(-6.57,7.174)
  rect 1.448x1.651 smd: MP1(-7.989,6.4)
  rect 1.448x2.438 smd: MP2(-7.989,-3.3) MP3(7.836,-3.3)
  rect 1.854x1.651 smd: MP4(7.061,6.4)
  round 0 hole 1 unplated mask+0: ""(-5.004,-3.531) ""(2.972,-3.531)
  silkscreen extent -7.4,-7.1 7.4,7.25, body extent -8.05,-7.54 8.05,7.66, height 1.85
USB-TYPE-C-12+4P [mm]
  oval 1x2.1 hole 0.6 slot 1.7 at 90 deg mask+0.05: 1(-4.32,1.801) 2(4.32,1.801)
  oval 1x1.8 hole 0.6 slot 1.4 at 90 deg mask+0.05: 3(-4.32,-2.379) 4(4.32,-2.379)
  round 0 hole 0.65 unplated: 6(-2.89,1.302) 7(2.89,1.301)
  rect 0.6x1.3 smd mask+0.05: A1B12(-3.2,2.379) A4B9(-2.4,2.379) B1A12(3.2,2.379) B4A9(2.4,2.379)
  rect 0.3x1.3 smd mask+0.05: A5(-1.25,2.379) A6(-0.25,2.379) A7(0.25,2.379) A8(1.25,2.379) B5(1.75,2.379) B6(0.75,2.379) B7(-0.75,2.379) B8(-1.75,2.379)
  Keep-Out Layer board cut-out: -2.565,1.302 -2.597,1.443 -2.687,1.556 -2.818,1.619 -2.962,1.619 -3.093,1.556 -3.183,1.443 -3.215,1.302 -3.215,1.302 -3.183,1.161 -3.093,1.048 -2.962,0.985 -2.818,0.985 -2.687,1.048 -2.597,1.161 -2.565,1.302
  Keep-Out Layer board cut-out: 3.215,1.301 3.183,1.442 3.093,1.555 2.962,1.618 2.818,1.618 2.687,1.555 2.597,1.442 2.565,1.301 2.565,1.301 2.597,1.16 2.687,1.047 2.818,0.984 2.962,0.984 3.093,1.047 3.183,1.16 3.215,1.301
  silkscreen extent -4.48,-4.57 4.48,0.44, body extent -4.47,-4.95 4.47,2.95, height 3.23
WCAP-AS5H_D8H10.5 [mm] "Aluminum Electrolytic Capacitors, 8x10.5mm"
  rect 4.2x1.9 smd: 1(3.5,0) 2(-3.5,0)
  silkscreen extent -4.25,-4.25 4.25,4.25, body extent -4.5,-4.15 4.5,4.15, height 10.5
WE-HCI_7040 [mm] "SMT Flat Wire High Current Inductor, body 6.9x6.9mm"
  rect 2.2x2.7 smd: 1(0,2.55) 2(0,-2.55)
  silkscreen extent -3.6,-3.6 3.6,3.6, body extent -3.45,-3.5 3.45,3.5, height 4
"WS2812B 1615" [mm]
  rect 0.45x0.65 smd mask+0.1: 1(-0.625,0.425) 2(0.625,0.425) 3(-0.625,-0.425) 4(0.625,-0.425)
  silkscreen extent -1.4,-0.1 -1.2,0.1